# Altium PCB 1166V30.PcbDoc (part 5 of 6)
Units mil, origin at the board's own origin, x right, y up, seen from the top; angles counter-clockwise.
Board outline 6140.98 x 3937.01 mil, 8 copper layers (Top Layer, Layer 1, Layer 2, Layer 3, Layer 4, Layer 5, Layer 6, Bottom Layer), stack 63.002 mil thick; 581 components, 327 nets, 2120 pads, 1524 vias.
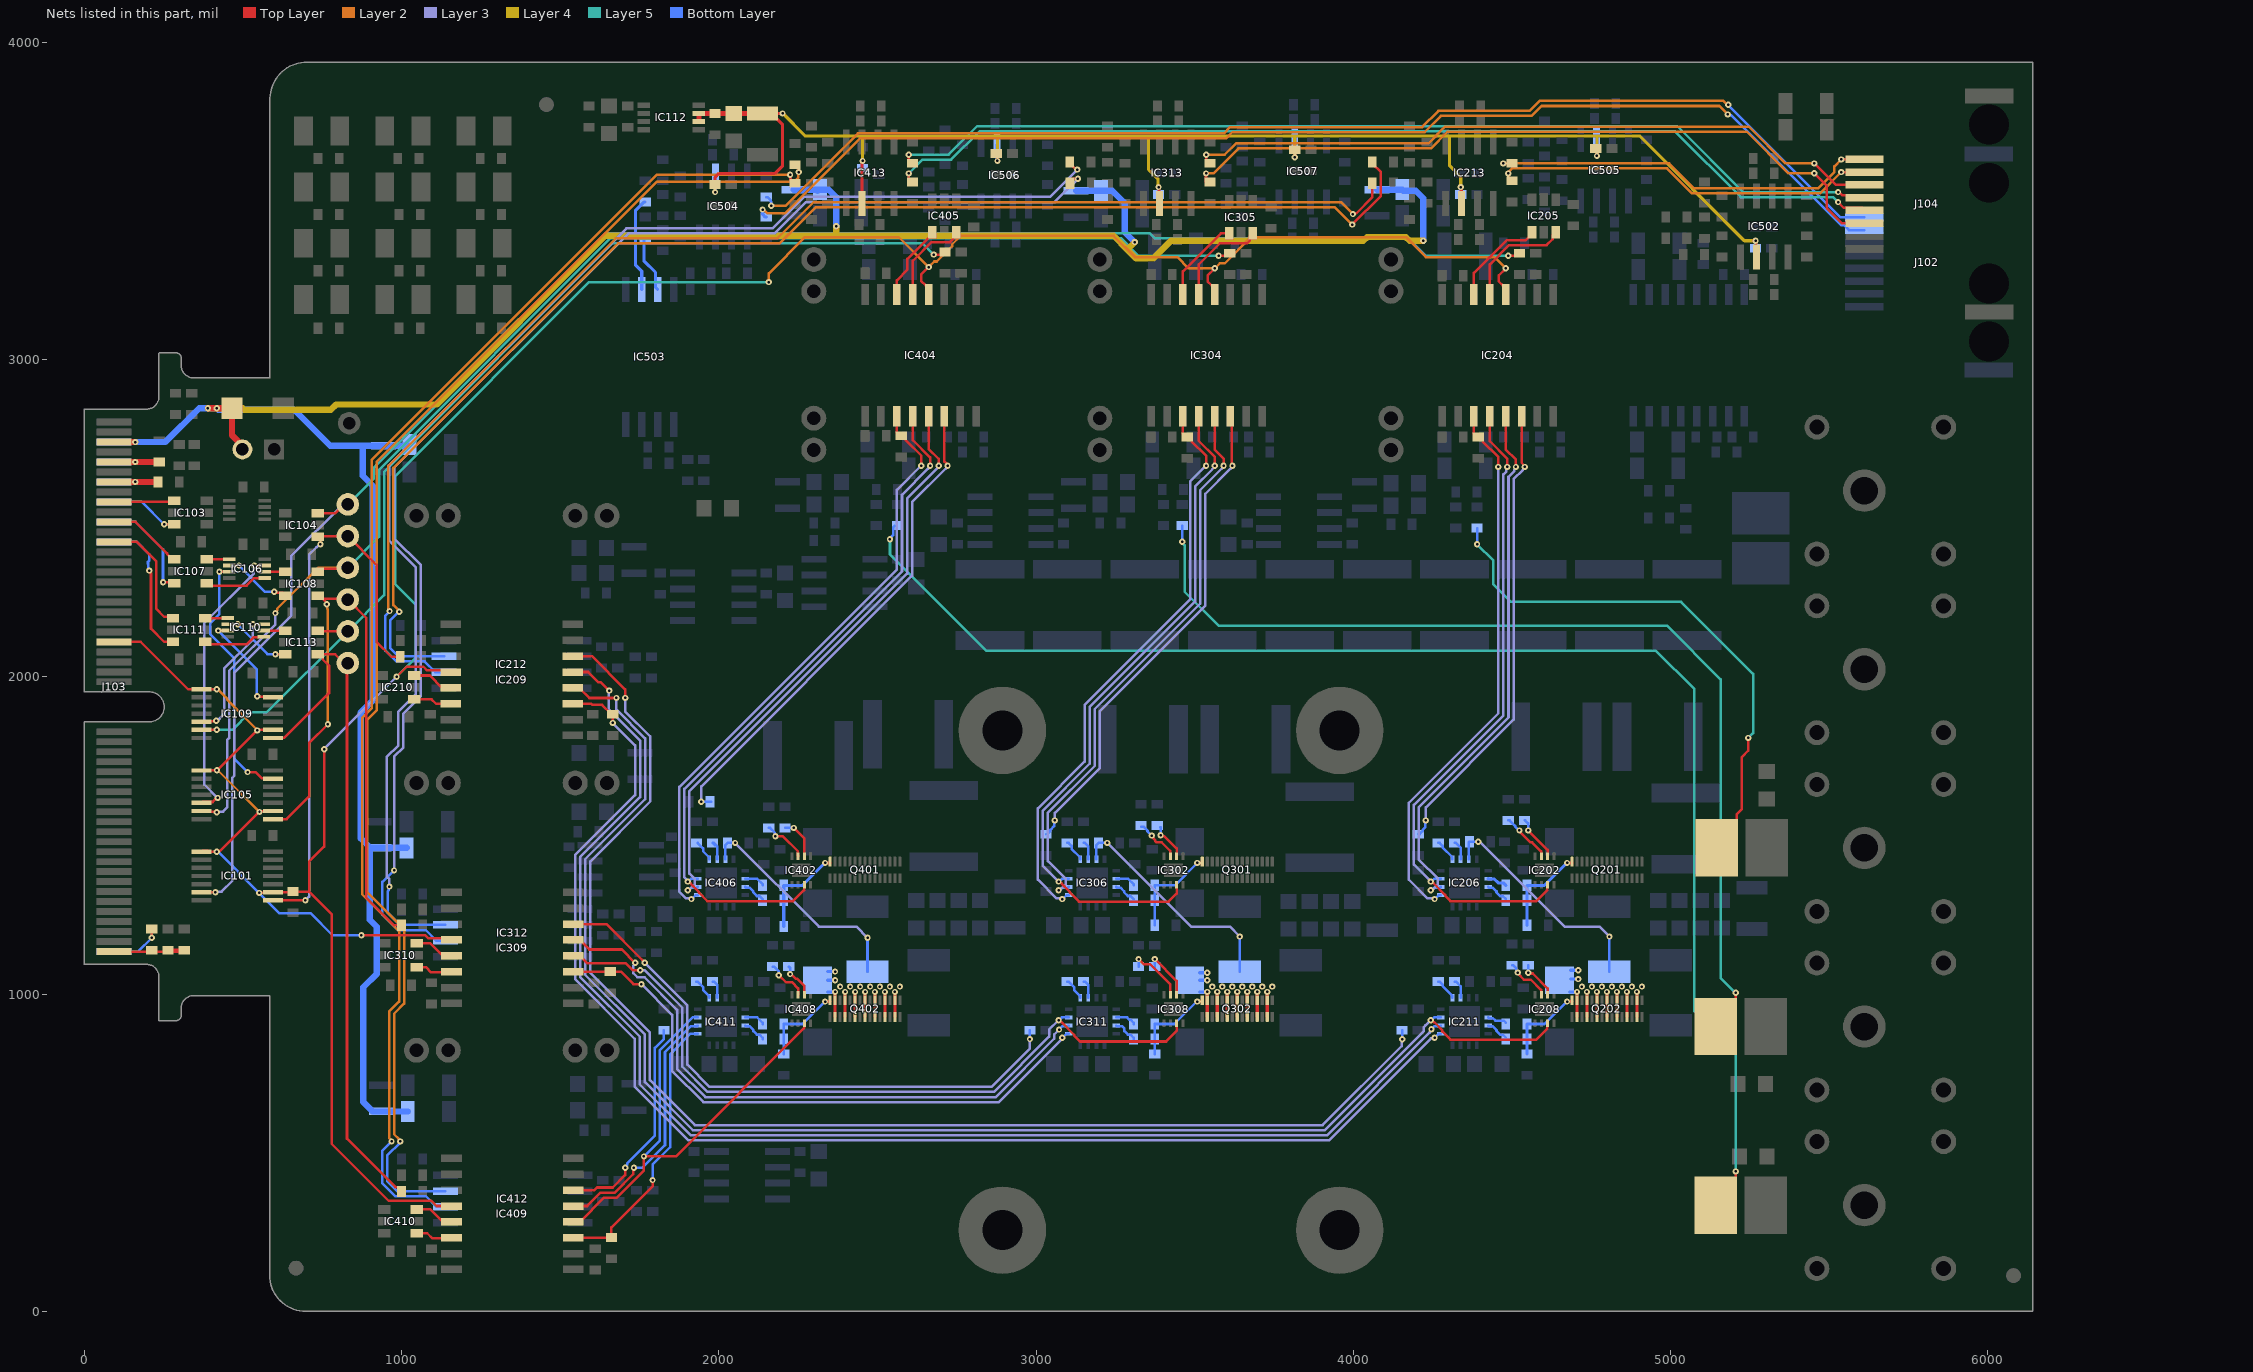
[diagram p11: the nets of this part, all layers, seen from the top]

## Via types
v1: diameter 19.68, hole 7.87, Top Layer to Bottom Layer, 1524 vias

## Nets (pads, with @x,y where several pads share a name; then routed paths per layer and width w, separated by ;. In a path a pad name is that pad's centre, name@x,y a point inside that pad or via, vN(x,y) a via of type N, cw(c..) or ccw(c..) an arc to the next point about the centre after c; other vN are vias at no path point) (continued)
NetIC105_5: IC105.5 IC106.7 | length 905.2
  Top Layer w8: IC105.5@370.08,1602.36 372.97,1605.25 404.24,1605.25 417.1,1618.11 v1(420.26,1618.11) ; v1(535.43,2350.39) IC106.7@568.9,2350.39
  Layer 3 w8: v1(420.26,1618.11) 377.95,1660.42 377.95,2169.29 533.2,2324.54 533.2,2348.16 v1(535.43,2350.39)
NetIC105_13: IC105.13 IC106.3 | length 810.4
  Top Layer w8: v1(425.87,2330.71) IC106.3@456.69,2330.71 ; v1(514.58,1699.62) 539.93,1699.62 560.02,1679.53 594.09,1679.53 IC105.13@594.49,1679.13
  Bottom Layer w8: v1(425.87,2330.71) 425.87,2197.53 397.64,2169.29 397.64,2133.86 472.44,2059.06 472.44,1741.76 v1(514.58,1699.62)
NetIC106_1: IC106.1 IC107.6 | length 63.4
  Top Layer w8: IC107.6@385.46,2370.08 IC106.1@448.82,2370.08
NetIC106_2: IC106.2 IC108.6 | length 216.4
  Top Layer w8: IC106.2@456.69,2350.39 v1(487.51,2350.39) ; v1(598.43,2267.72) 601.59,2267.72 604.09,2265.21 624.36,2265.21 IC108.6@633.86,2255.71
  Bottom Layer w8: v1(487.51,2350.39) 570.19,2267.72 v1(598.43,2267.72)
NetIC106_5: IC106.5 IC107.4 | length 196.4
  Top Layer w8: IC107.4@385.46,2295.08 393.14,2287.4 511.81,2287.4 535.43,2311.02 IC106.5@568.9,2311.02
NetIC106_6: IC106.6 IC108.4 | length 72.8
  Top Layer w8: IC106.6@561.02,2330.71 IC106.6@568.9,2330.71 IC108.4@633.86,2330.71
NetIC109_5: IC109.5 IC110.7 | length 434.7
  Top Layer w8: IC109.5@370.08,1858.27 371.44,1859.63 414.75,1859.63 v1(416.11,1860.99) ; v1(531.5,2165.35) IC110.7@564.96,2165.35
  Layer 3 w8: v1(416.11,1860.99) 419.27,1860.99 426.33,1868.05 ; 426.37,1868.05 440.44,1882.12 440.44,2025.55 531.5,2116.6 v1(531.5,2165.35)
NetIC109_13: IC109.13 IC110.3 | length 339.9
  Top Layer w8: v1(421.94,2145.67) IC110.3@452.76,2145.67 ; v1(544.91,1938.61) 546.7,1936.82 592.7,1936.82 IC109.13@594.49,1935.04
  Bottom Layer w8: v1(421.94,2145.67) 543.31,2024.3 543.31,1940.21 v1(544.91,1938.61)
NetIC110_1: IC110.1 IC111.6 | length 67.3
  Top Layer w8: IC111.6@381.53,2185.04 IC110.1@448.82,2185.04
NetIC110_2: IC110.2 IC113.6 | length 220.3
  Top Layer w8: IC110.2@452.76,2165.35 v1(483.58,2165.35) ; v1(602.36,2070.87) 633.66,2070.87 IC113.6@633.86,2070.67
  Bottom Layer w8: v1(483.58,2165.35) 577.36,2071.57 601.66,2071.57 v1(602.36,2070.87)
NetIC110_5: IC110.5 IC111.4 | length 196.4
  Top Layer w8: IC111.4@381.53,2110.04 389.2,2102.36 511.81,2102.36 533.53,2124.08 563.06,2124.08 IC110.5@564.96,2125.98
NetIC110_6: IC110.6 IC113.4 | length 72.8
  Top Layer w8: IC110.6@561.02,2145.67 IC110.6@564.96,2145.67 IC113.4@633.86,2145.67
NetIC202_2: IC202.2 R206.1 | length 143.4
  Top Layer w8: v1(4550.94,1515.77) 4612.2,1454.5 IC202.2@4612.2,1435.04
  Bottom Layer w8: R206.1@4539.37,1547.24 4541.16,1547.24 4550.94,1537.46 v1(4550.94,1515.77)
NetIC202_3: IC202.3 R205.1 | length 161.4
  Top Layer w8: v1(4523.26,1515.62) 4523.26,1512.56 4557.66,1478.16 4563.24,1478.16 4591.6,1449.8 4591.6,1435.96 IC202.3@4592.52,1435.04
  Bottom Layer w8: R205.1@4488.19,1547.24 4492.13,1547.24 4509.65,1529.72 4509.65,1528.49 4522.53,1515.62 v1(4523.26,1515.62)
NetIC202_7: IC202.7 IC204.4 IC206.3 | length 2096.9
  Top Layer w8: v1(4244.09,1354.46) 4247.26,1354.46 4253.1,1348.61 ; 4253.14,1348.61 4289.08,1312.68 4289.08,1309.95 4305.91,1293.12 4576.58,1293.12 4611.28,1327.82 4611.28,1343.57 IC202.7@4612.2,1344.49 ; IC204.4@4429.92,2820.87 4429.92,2742.31 4484.5,2687.73 v1(4484.5,2661.42)
  Layer 2 w8: v1@4482.27,2659.18 v1(4484.5,2661.42)
  Layer 3 w8: v1(4244.09,1354.46) 4190.5,1408.05 4190.5,1596.02 4472.82,1878.33 4472.82,2637.8 4482.27,2647.24 4482.27,2659.18 v1(4484.5,2661.42)
  Bottom Layer w8: v1(4244.09,1354.46) 4245.45,1354.46 4254.18,1363.19 IC206.3@4275.59,1363.19
NetIC204_3: IC204.3 IC206.1 R208.2 | length 1745.3
  Top Layer w8: IC204.3@4379.92,2820.87 4379.92,2765.75 4389.76,2755.91 R208.2@4393.7,2755.91 4397.64,2755.91 4407.42,2746.13 4407.42,2742.19 4456.82,2692.79 v1(4456.82,2661.42)
  Layer 2 w8: v1@4253.75,1301.37 v1(4255.91,1299.21)
  Layer 3 w8: v1@4253.75,1301.37 4234.06,1301.37 4174.5,1360.93 4174.5,1602.64 4456.82,1884.96 v1(4456.82,2661.42)
  Bottom Layer w8: v1(4255.91,1299.21) 4256.89,1299.21 4269.69,1312.01 IC206.1@4275.59,1312.01
NetIC204_5: IC204.5 IC206.2 | length 1705.6
  Top Layer w8: IC204.5@4479.92,2820.87 4479.92,2716.93 4512.19,2684.66 v1(4512.19,2661.42)
  Layer 3 w8: v1(4244.09,1326.77) 4247.26,1326.77 4253.1,1332.61 ; 4253.14,1332.61 4265.94,1345.41 4265.94,1363.5 4206.5,1422.94 4206.5,1589.39 4488.82,1871.7 4488.82,2629.92 4506.35,2647.45 4506.35,2652.41 4512.19,2658.26 v1(4512.19,2661.42)
  Bottom Layer w8: v1(4244.09,1326.77) 4247.26,1326.77 4256.18,1335.69 4273.69,1335.69 IC206.2@4275.59,1337.6
NetIC204_6: IC204.6 R211.2 | length 1462.3
  Top Layer w8: IC204.6@4529.92,2820.87 4529.92,2674.53 4539.87,2664.58 v1(4539.87,2661.42)
  Layer 3 w8: v1(4228.35,1547.24) 4228.35,1588.6 4504.82,1865.08 4504.82,2623.29 4504.96,2623.29 4534.03,2652.37 ; 4534.03,2652.41 4539.87,2658.26 v1(4539.87,2661.42)
  Bottom Layer w8: R211.2@4204.72,1503.94 4208.66,1503.94 4218.44,1513.72 4218.44,1517.65 4226.19,1525.4 4226.19,1545.09 v1(4228.35,1547.24)
NetIC204_13: IC204.13 IC205.3 | length 352.5
  Top Layer w8: IC204.13@4429.92,3204.72 4429.92,3300 4490.35,3360.42 4609.12,3360.42 4628.3,3379.6 4628.3,3392.07 IC205.3@4637.8,3401.57
NetIC204_14: IC204.14 IC205.1 | length 307.7
  Top Layer w8: IC204.14@4379.92,3204.72 4379.92,3272.63 4483.72,3376.42 4543.65,3376.42 4562.8,3395.57 IC205.1@4562.8,3401.57
NetIC206_5: IC206.5 R214.1 | length 71.8
  Bottom Layer w8: R214.1@4267.72,1476.38 4271.65,1476.38 4281.43,1466.6 4281.43,1461.68 4312.01,1431.1 IC206.5@4312.01,1425.2
NetIC206_6: IC206.6 R215.1 | length 61.2
  Bottom Layer w8: R215.1@4318.9,1476.38 4322.83,1476.38 4337.6,1461.61 IC206.6@4337.6,1425.2
NetIC206_10: IC206.10 R210.1 | length 65
  Bottom Layer w10: IC206.10@4426.1,1364.09 IC206.10@4425.2,1363.19 4426.1,1362.28 4444.8,1362.28 4456.69,1350.39 4472.44,1350.39 R210.1@4480.31,1342.52
NetIC206_11: IC206.11 R241.1 | length 76.8
  Bottom Layer w8: IC206.11@4425.2,1337.6 4427.1,1335.69 4439.03,1335.69 4451.01,1323.71 4451.01,1320.53 4462.55,1308.99 4470.54,1308.99 4480.32,1299.21 R241.1@4480.32,1295.28
NetIC208_2: IC208.2 R221.1 | length 124.7
  Top Layer w8: v1(4551.18,1066.93) 4553.42,1064.69 4565.23,1064.69 4612.2,1017.72 IC208.2@4612.2,998.03
  Bottom Layer w8: v1(4551.18,1066.93) R221.1@4551.18,1090.55
NetIC208_3: IC208.3 R220.1 | length 145.9
  Top Layer w8: v1(4518.16,1067.59) 4518.16,1064.51 4537.59,1045.09 4559.3,1045.09 4591.6,1012.79 4591.6,998.95 IC208.3@4592.52,998.03
  Bottom Layer w8: R220.1@4500,1090.55 4503.94,1090.55 4513.72,1080.77 4513.72,1075.2 4518.16,1070.75 v1(4518.16,1067.59)
NetIC208_7: IC208.7 IC209.4 IC211.3 | length 4723.8
  Top Layer w8: IC209.4@1539.37,1964.96 1560.04,1964.96 1591.93,1933.07 v1(1677.04,1933.07) ; v1(4244.09,917.45) 4247.26,917.45 4253.68,911.03 4255.04,911.03 4280.48,885.59 4280.48,881.55 4305.91,856.11 4576.58,856.11 4611.28,890.81 4611.28,906.56 IC208.7@4612.2,907.48
  Layer 2 w8: v1(1677.04,1933.07) v1@1679.28,1930.84 ; v1@4242.73,917.45 v1(4244.09,917.45)
  Layer 3 w8: v1(1677.04,1933.07) 1677.04,1896.16 1767.79,1805.41 1767.79,1613.98 1578.81,1425 1578.81,1060.08 1766.61,872.28 1766.61,722.15 1918.15,570.61 3889.76,570.61 ; 3877.95,570.87 3909.84,570.87 4222.14,883.17 4222.14,895.97 4226.57,900.4 4226.57,901.29 v1@4242.73,917.45
  Bottom Layer w8: v1(4244.09,917.45) 4245.45,917.45 4254.18,926.18 IC211.3@4275.59,926.18
NetIC209_3: IC209.3 IC211.1 R222.2 | length 4248.8
  Top Layer w8: IC209.3@1539.37,1914.96 1598.1,1914.96 1601.83,1911.23 1632.08,1911.23 1661.42,1881.89 R222.2@1665.35,1881.89 v1(1665.35,1854.33)
  Layer 3 w8: v1(1665.35,1854.33) 1735.79,1783.9 1735.79,1627.23 1546.81,1438.26 1546.81,1046.83 1734.61,859.02 1734.61,708.9 1904.9,538.61 3922.84,538.61 4244.19,859.97 4253.67,859.97 v1(4255.91,862.2)
  Bottom Layer w8: v1(4255.91,862.2) 4256.89,862.2 4269.69,875 IC211.1@4275.59,875
NetIC209_5: IC209.5 IC211.2 | length 4315.2
  Top Layer w8: IC209.5@1539.37,2014.96 1588.01,2014.96 1620.87,1982.09 1628.14,1982.09 1653.54,1956.69 v1(1654.37,1956.69)
  Layer 2 w8: v1@1653.54,1955.87 v1(1654.37,1956.69)
  Layer 3 w8: v1@1653.54,1955.87 1653.54,1897.03 1751.79,1798.79 1751.79,1620.61 1562.81,1431.63 1562.81,1053.46 1750.61,865.65 1750.61,715.52 1911.52,554.61 3916.21,554.61 4240.41,878.81 4240.41,880.44 4245.99,886.02 v1(4245.99,889.19)
  Bottom Layer w8: v1(4245.99,889.19) 4246.68,889.19 4256.18,898.69 4273.69,898.69 IC211.2@4275.59,900.59
NetIC209_6: IC209.6 R225.2 | length 4212.7
  Top Layer w8: IC209.6@1539.37,2064.96 1599.79,2064.96 1704.72,1960.02 v1(1704.72,1933.07)
  Layer 2 w8: v1@1703.73,1932.08 v1(1704.72,1933.07) ; v1@4152.36,856.28 v1(4153.95,857.86)
  Layer 3 w8: v1(1704.72,1933.07) 1704.72,1891.11 1783.79,1812.04 1783.79,1607.35 1594.81,1418.38 1594.81,1066.71 1782.61,878.91 1782.61,728.78 1924.53,586.87 3903.21,586.87 4152.36,836.02 v1@4152.36,856.28
  Bottom Layer w8: R225.2@4153.54,885.83 4153.95,885.42 v1(4153.95,857.86)
NetIC209_13: IC209.13 IC210.3 | length 136.2
  Top Layer w8: IC210.3@1035.43,2003.94 IC210.3@1039.37,2003.94 1088.98,2003.94 1127.95,1964.96 IC209.13@1155.51,1964.96
NetIC209_14: IC209.14 IC210.1 | length 125.9
  Top Layer w8: IC210.1@1035.43,1928.94 IC210.1@1039.37,1928.94 1094.69,1928.94 1108.66,1914.96 IC209.14@1155.51,1914.96
NetIC211_5: IC211.5 R229.1 | length 71.8
  Bottom Layer w8: R229.1@4267.72,1039.37 4271.65,1039.37 4281.43,1029.59 4281.43,1024.67 4312.01,994.09 IC211.5@4312.01,988.19
NetIC211_6: IC211.6 R230.1 | length 61.2
  Bottom Layer w8: R230.1@4318.9,1039.37 4322.83,1039.37 4337.6,1024.61 IC211.6@4337.6,988.19
NetIC211_10: IC211.10 R224.1 | length 62
  Bottom Layer w8: IC211.10@4425.2,926.18 4427.1,924.28 4439.03,924.28 4447.4,915.9 4473.86,915.9 R224.1@4480.32,909.45
NetIC211_11: IC211.11 R242.1 | length 76.8
  Bottom Layer w8: IC211.11@4425.2,900.59 4427.1,898.69 4439.03,898.69 4451.01,886.7 4451.01,883.52 4462.55,871.98 4470.54,871.98 4480.32,862.2 R242.1@4480.32,858.27
NetIC212_6: IC212.6 R238.1 | length 4328.4
  Top Layer w8: v1(3998.45,3458.47) 4000.68,3460.71 4008.95,3460.71 4059.06,3510.82 R238.1@4059.06,3555.12
  Layer 2 w8: v1@957.94,2207 957.94,2664.97 1675.12,3382.14 2184.92,3382.14 2299.1,3496.31 3960.61,3496.31 v1(3998.45,3458.47)
  Bottom Layer w8: v1(962.29,2207) 962.29,2206.38 948.82,2192.91 948.82,2082.68 983.32,2048.17 1072.3,2048.17 1106.3,2014.17 IC212.6@1133.86,2014.17
NetIC212_7: IC212.7 R234.1 | length 4399.4
  Top Layer w8: v1(3996.06,3425.2) 4086.61,3515.75 4086.61,3590.55 4059.06,3618.11 R234.1@4059.06,3622.05
  Layer 2 w8: 984.13,2216.01 992.25,2207.89 v1(992.25,2204.72) ; 984.13,2216.05 973.94,2226.24 973.94,2658.34 1681.74,3366.14 2191.55,3366.14 2305.72,3480.31 3940.94,3480.31 v1(3996.06,3425.2)
  Bottom Layer w8: v1(992.25,2204.72) 990.9,2204.72 964.82,2178.64 964.82,2089.3 989.95,2064.17 IC212.7@1133.86,2064.17
NetIC302_2: IC302.2 R306.1 | length 117.2
  Top Layer w8: v1(3392.25,1500.2) 3394.49,1497.96 3403.61,1497.96 3442.91,1458.66 IC302.2@3442.91,1435.04
  Bottom Layer w8: R306.1@3391.67,1525.65 3392.25,1525.07 v1(3392.25,1500.2)
NetIC302_3: IC302.3 R305.1 | length 144.7
  Top Layer w8: v1(3364.58,1499.29) 3364.58,1496.13 3375.31,1485.4 3375.31,1482.84 3380,1478.16 3395.86,1478.16 3422.31,1451.71 3422.31,1435.96 IC302.3@3423.23,1435.04
  Bottom Layer w8: R305.1@3330.71,1527.56 3338.58,1527.56 3351.03,1515.11 3351.03,1512.84 v1(3364.58,1499.29)
NetIC302_7: IC302.7 IC304.4 IC306.3 | length 2208.7
  Top Layer w8: v1(3070.87,1354.46) 3074.03,1354.46 3079.87,1348.61 ; 3079.91,1348.61 3106.3,1322.23 3106.3,1319.5 3134.46,1291.34 3417.32,1291.34 3442.91,1316.93 IC302.7@3442.91,1344.49 ; IC304.4@3512.6,2820.87 3512.6,2743.31 3563.24,2692.66 v1(3563.24,2665.35)
  Layer 2 w8: v1@3563.24,2662.19 v1(3563.24,2665.35)
  Layer 3 w8: v1(3070.87,1354.46) 3021.21,1404.11 3021.21,1578.28 3168.79,1725.85 3168.79,1904.75 3501.28,2237.24 3501.28,2599.7 3555.12,2653.54 3555.12,2654.07 3563.24,2662.19 v1(3563.24,2665.35)
  Bottom Layer w8: v1(3070.87,1354.46) 3072.22,1354.46 3080.95,1363.19 IC306.3@3102.36,1363.19
NetIC304_3: IC304.3 IC306.1 R308.2 | length 1842.5
  Top Layer w8: IC304.3@3462.6,2820.87 3462.6,2765.75 3472.44,2755.91 R308.2@3476.38,2755.91 3480.32,2755.91 3490.09,2746.13 3490.09,2742.19 3535.56,2696.72 v1(3535.56,2665.35)
  Layer 2 w8: v1@3080.44,1301.45 v1(3082.68,1299.21)
  Layer 3 w8: v1@3080.44,1301.45 3064.69,1301.45 3005.21,1360.93 3005.21,1584.91 3152.79,1732.48 3152.79,1911.38 3485.28,2243.87 3485.28,2615.07 v1(3535.56,2665.35)
  Bottom Layer w8: v1(3082.68,1299.21) 3083.66,1299.21 3096.46,1312.01 IC306.1@3102.36,1312.01
NetIC304_5: IC304.5 IC306.2 | length 1805.1
  Top Layer w8: IC304.5@3562.6,2820.87 3562.6,2715.93 3590.93,2687.6 v1(3590.93,2665.35)
  Layer 3 w8: v1(3070.87,1326.77) 3074.03,1326.77 3079.87,1332.61 ; 3079.91,1332.61 3092.71,1345.41 3092.71,1363.5 3037.21,1419 3037.21,1571.65 3184.79,1719.23 3184.79,1898.12 3517.28,2230.61 3517.28,2588.5 3585.09,2656.31 ; 3585.09,2656.35 3590.93,2662.19 v1(3590.93,2665.35)
  Bottom Layer w8: v1(3070.87,1326.77) 3074.03,1326.77 3082.95,1335.69 3100.46,1335.69 IC306.2@3102.36,1337.6
NetIC304_6: IC304.6 R311.2 | length 1564.9
  Top Layer w8: IC304.6@3612.6,2820.87 3616.38,2817.09 3616.38,2667.59 v1(3618.61,2665.35)
  Layer 3 w8: v1(3059.06,1547.24) 3059.06,1570.87 3200.79,1712.6 3200.79,1891.5 3533.28,2223.98 3533.28,2576.81 3612.77,2656.31 ; 3612.77,2656.35 3618.61,2662.19 v1(3618.61,2665.35)
  Bottom Layer w8: R311.2@3031.5,1503.94 3035.43,1503.94 3045.21,1513.72 3045.21,1517.65 3056.82,1529.26 3056.82,1545.01 v1(3059.06,1547.24)
NetIC304_13: IC304.13 IC305.3 | length 313.6
  Top Layer w8: IC304.13@3512.6,3204.72 3512.6,3300 3578.74,3366.14 3664.14,3366.14 3673.67,3375.67 3673.67,3388.14 IC305.3@3683.17,3397.64
NetIC304_14: IC304.14 IC305.1 | length 268.1
  Top Layer w8: IC304.14@3462.6,3204.72 3462.6,3277.56 3582.68,3397.64 IC305.1@3608.17,3397.64
NetIC306_5: IC306.5 R314.1 | length 70.2
  Bottom Layer w8: R314.1@3098.43,1476.38 3102.36,1476.38 3112.14,1466.6 3112.14,1457.74 3138.78,1431.1 IC306.5@3138.78,1425.2
NetIC306_6: IC306.6 R315.1 | length 59.6
  Bottom Layer w8: R315.1@3149.61,1476.38 3153.54,1476.38 3164.37,1465.55 IC306.6@3164.37,1425.2
NetIC306_10: IC306.10 R310.1 | length 66
  Bottom Layer w8: IC306.10@3251.97,1363.19 3290.35,1363.19 3307.09,1346.46 R310.1@3307.09,1342.52
NetIC306_11: IC306.11 R341.1 | length 76.8
  Bottom Layer w8: IC306.11@3251.97,1337.6 3253.87,1335.69 3265.8,1335.69 3277.78,1323.71 3277.78,1320.53 3289.32,1308.99 3297.31,1308.99 3307.09,1299.21 R341.1@3307.09,1295.28
NetIC308_2: IC308.2 R321.1 | length 167.1
  Top Layer w8: v1(3374.02,1110.24) 3442.91,1041.34 IC308.2@3442.91,998.03 ; v1@3374.02,1114.17 v1@3375.98,1112.2
  Bottom Layer w8: R321.1@3374.02,1086.61 v1(3374.02,1110.24)
NetIC308_3: IC308.3 R320.1 | length 188.9
  Top Layer w8: v1(3322.83,1110.24) 3338.58,1094.49 3358.27,1094.49 3423.23,1029.53 IC308.3@3423.23,998.03
  Bottom Layer w8: R320.1@3322.83,1086.61 v1(3322.83,1110.24)
NetIC308_7: IC308.7 IC309.4 IC311.3 | length 2396.9
  Top Layer w8: IC309.4@1541.34,1120.47 1562.01,1120.47 1585.83,1096.65 1706.98,1096.65 1728.83,1074.8 v1(1751.97,1074.8) ; v1(3070.87,917.45) 3074.03,917.45 3079.87,911.61 ; 3079.91,911.61 3119.89,871.63 3119.89,868.91 3138.4,850.39 3409.45,850.39 3442.91,883.86 IC308.7@3442.91,907.48
  Layer 2 w8: v1@3070.39,917.45 v1(3070.87,917.45)
  Layer 3 w8: v1(1751.97,1074.8) 1766.72,1074.8 1884.61,956.91 1884.61,771.03 1964.34,691.3 2866.52,691.3 3041.19,865.97 3041.19,888.25 v1@3070.39,917.45
  Bottom Layer w8: v1(3070.87,917.45) 3072.22,917.45 3080.95,926.18 IC311.3@3102.36,926.18
NetIC309_3: IC309.3 IC311.1 R322.2 | length 1926.2
  Top Layer w8: IC309.3@1541.34,1070.47 1657.09,1070.47 R322.2@1657.48,1070.87 1691.12,1070.87 1730.87,1031.12 v1(1755.91,1031.12)
  Layer 2 w8: v1@3082.68,859.26 v1(3082.68,862.2)
  Layer 3 w8: v1(1755.91,1031.12) 1852.61,934.41 1852.61,757.77 1951.09,659.3 2882.71,659.3 v1@3082.68,859.26
  Bottom Layer w8: v1(3082.68,862.2) 3083.66,862.2 3096.46,875 IC311.1@3102.36,875
NetIC309_5: IC309.5 IC311.2 | length 2004
  Top Layer w8: IC309.5@1541.34,1170.47 1562.01,1170.47 1592.15,1140.33 1694.19,1140.33 v1(1736.22,1098.3)
  Layer 2 w8: v1@3072.47,887.83 v1(3072.47,888.16)
  Layer 3 w8: v1(1736.22,1098.3) 1736.22,1095.14 1730.13,1089.04 1730.13,1065.76 1742.92,1052.96 1765.94,1052.96 1868.61,950.28 1868.61,764.4 1957.71,675.3 2873.14,675.3 3057.19,859.34 3057.19,872.55 v1@3072.47,887.83
  Bottom Layer w8: v1@3072.47,888.2 3082.95,898.69 3100.46,898.69 IC311.2@3102.36,900.59
NetIC309_6: IC309.6 R325.2 | length 1869.6
  Top Layer w8: IC309.6@1541.34,1220.47 1645.67,1220.47 1758.06,1108.08 1758.06,1107.3 1766.61,1098.76 v1(1766.61,1098.3)
  Layer 3 w8: v1(1766.61,1098.3) 1900.61,964.3 1900.61,777.65 1970.97,707.3 2859.89,707.3 2980.32,827.72 v1(2980.32,858.27)
  Bottom Layer w8: v1(2980.32,858.27) R325.2@2980.32,885.83
NetIC309_13: IC309.13 IC310.3 | length 129.2
  Top Layer w8: IC310.3@1047.24,1159.55 1090.85,1159.55 1131.89,1118.5 IC309.13@1159.45,1118.5
NetIC309_14: IC309.14 IC310.1 | length 118.9
  Top Layer w8: IC310.1@1047.24,1084.55 1076.87,1084.55 1092.91,1068.5 IC309.14@1159.45,1068.5
NetIC311_5: IC311.5 R329.1 | length 70.2
  Bottom Layer w8: R329.1@3098.43,1039.37 3102.36,1039.37 3119.89,1021.84 3119.89,1012.98 3138.78,994.09 IC311.5@3138.78,988.19
NetIC311_6: IC311.6 R330.1 | length 59.6
  Bottom Layer w8: R330.1@3149.61,1039.37 3153.54,1039.37 3164.37,1028.54 IC311.6@3164.37,988.19
NetIC311_10: IC311.10 R324.1 | length 66
  Bottom Layer w8: IC311.10@3251.97,926.18 3286.42,926.18 3293.37,919.23 3297.31,919.23 3307.09,909.45 R324.1@3307.09,905.51
NetIC311_11: IC311.11 R342.1 | length 79.6
  Bottom Layer w8: IC311.11@3251.97,900.59 3253.87,898.69 3270.61,898.69 3278.12,891.17 3278.12,883.18 3289.32,871.98 3297.31,871.98 3307.09,862.2 R342.1@3307.09,858.27
NetIC312_6: IC312.6 R338.1 | length 4291.2
  Top Layer w8: R338.1@3106.69,3555.12 3106.69,3559.06 3116.47,3568.83 3131.22,3568.83 v1(3131.8,3569.42)
  Layer 3 w8: v1(976.38,1389.76) 976.38,1748.03 1005.72,1777.37 1005.72,1883.67 1060.83,1938.79 1060.83,2352.05 976.63,2436.26 976.63,2658.73 1715.29,3397.39 2175.92,3397.39 2274.6,3496.06 3058.45,3496.06 v1(3131.8,3569.42)
  Bottom Layer w8: v1(976.38,1389.76) 939.76,1353.15 939.76,1250.66 988.71,1201.72 1076.24,1201.72 1110.24,1167.72 IC312.6@1137.8,1167.72
NetIC312_7: IC312.7 R334.1 | length 4277.1
  Top Layer w8: R334.1@3106.3,3622.05 3106.3,3618.11 3123.75,3600.66 3127.69,3600.66 v1(3129.92,3598.43)
  Layer 3 w8: v1(961.61,1338.58) 961.61,1362.02 952.76,1370.87 952.76,1747.04 989.72,1784 989.72,1890.3 1044.83,1945.41 1044.83,2344.93 960.63,2429.13 960.63,2665.35 1708.66,3413.39 2169.29,3413.39 2268.32,3512.41 3043.91,3512.41 v1(3129.92,3598.43)
  Bottom Layer w8: v1(961.61,1338.58) 959.37,1336.35 959.37,1327.61 955.76,1324.01 955.76,1257.29 995.34,1217.72 IC312.7@1137.8,1217.72
NetIC402_2: IC402.2 R406.1 | length 130
  Top Layer w8: v1(2236.22,1523.62) 2269.69,1490.16 IC402.2@2269.69,1435.04
  Bottom Layer w8: R406.1@2208.66,1523.62 v1(2236.22,1523.62)
NetIC402_3: IC402.3 R405.1 | length 143
  Top Layer w8: v1(2178.33,1497.23) 2201.83,1497.23 2249.08,1449.98 2249.08,1435.96 IC402.3@2250,1435.04
  Bottom Layer w8: R405.1@2157.48,1523.62 2161.42,1523.62 2176.09,1508.95 2176.09,1499.46 v1(2178.33,1497.23)
NetIC402_7: IC402.7 IC404.4 IC406.3 | length 2274.7
  Top Layer w8: v1(1901.57,1354.46) 1904.74,1354.46 1910.58,1348.61 ; 1910.62,1348.61 1937.01,1322.23 1937.01,1319.5 1963.39,1293.12 2234.06,1293.12 2268.76,1327.82 2268.76,1343.57 IC402.7@2269.69,1344.49 ; IC404.4@2611.02,2820.87 2611.02,2746.25 2665.61,2691.67 v1(2665.61,2665.35)
  Layer 2 w8: v1(1901.57,1354.46) v1@1901.57,1357.62
  Layer 3 w8: v1@1901.57,1357.62 1891.29,1367.9 1891.29,1646.2 2577.21,2332.12 2577.21,2573.28 2659.76,2655.83 2659.76,2656.35 2665.61,2662.19 v1(2665.61,2665.35)
  Bottom Layer w8: v1(1901.57,1354.46) 1902.93,1354.46 1911.66,1363.19 IC406.3@1933.07,1363.19
NetIC404_3: IC404.3 IC406.1 R408.2 | length 1923.6
  Top Layer w8: IC404.3@2561.02,2820.87 2561.02,2773.62 2561.09,2773.56 2561.09,2769.62 2570.87,2759.84 R408.2@2574.8,2759.84 2578.74,2759.84 2588.52,2750.06 2588.52,2746.13 2637.92,2696.72 v1(2637.92,2665.35)
  Layer 2 w8: v1@1911.15,1301.45 v1(1913.39,1299.21)
  Layer 3 w8: v1@1911.15,1301.45 1896.01,1301.45 1875.29,1322.17 1875.29,1652.83 2561.21,2338.75 2561.21,2588.65 v1(2637.92,2665.35)
  Bottom Layer w8: v1(1913.39,1299.21) 1914.37,1299.21 1927.17,1312.01 IC406.1@1933.07,1312.01
NetIC404_5: IC404.5 IC406.2 | length 1889.8
  Top Layer w8: IC404.5@2661.02,2820.87 2661.42,2820.47 2661.42,2718.48 2692.7,2687.2 2692.7,2665.94 v1(2693.29,2665.35)
  Layer 2 w8: v1(1901.57,1326.77) v1@1904.74,1326.77
  Layer 3 w8: v1(1901.57,1326.77) 1904.78,1326.77 1923.42,1345.41 1923.42,1363.5 1907.29,1379.63 1907.29,1639.57 2593.21,2325.5 2593.21,2562.07 2687.45,2656.31 ; 2687.45,2656.35 2693.29,2662.19 v1(2693.29,2665.35)